# KiCad board rioctrl-controller.kicad_pcb (continued)
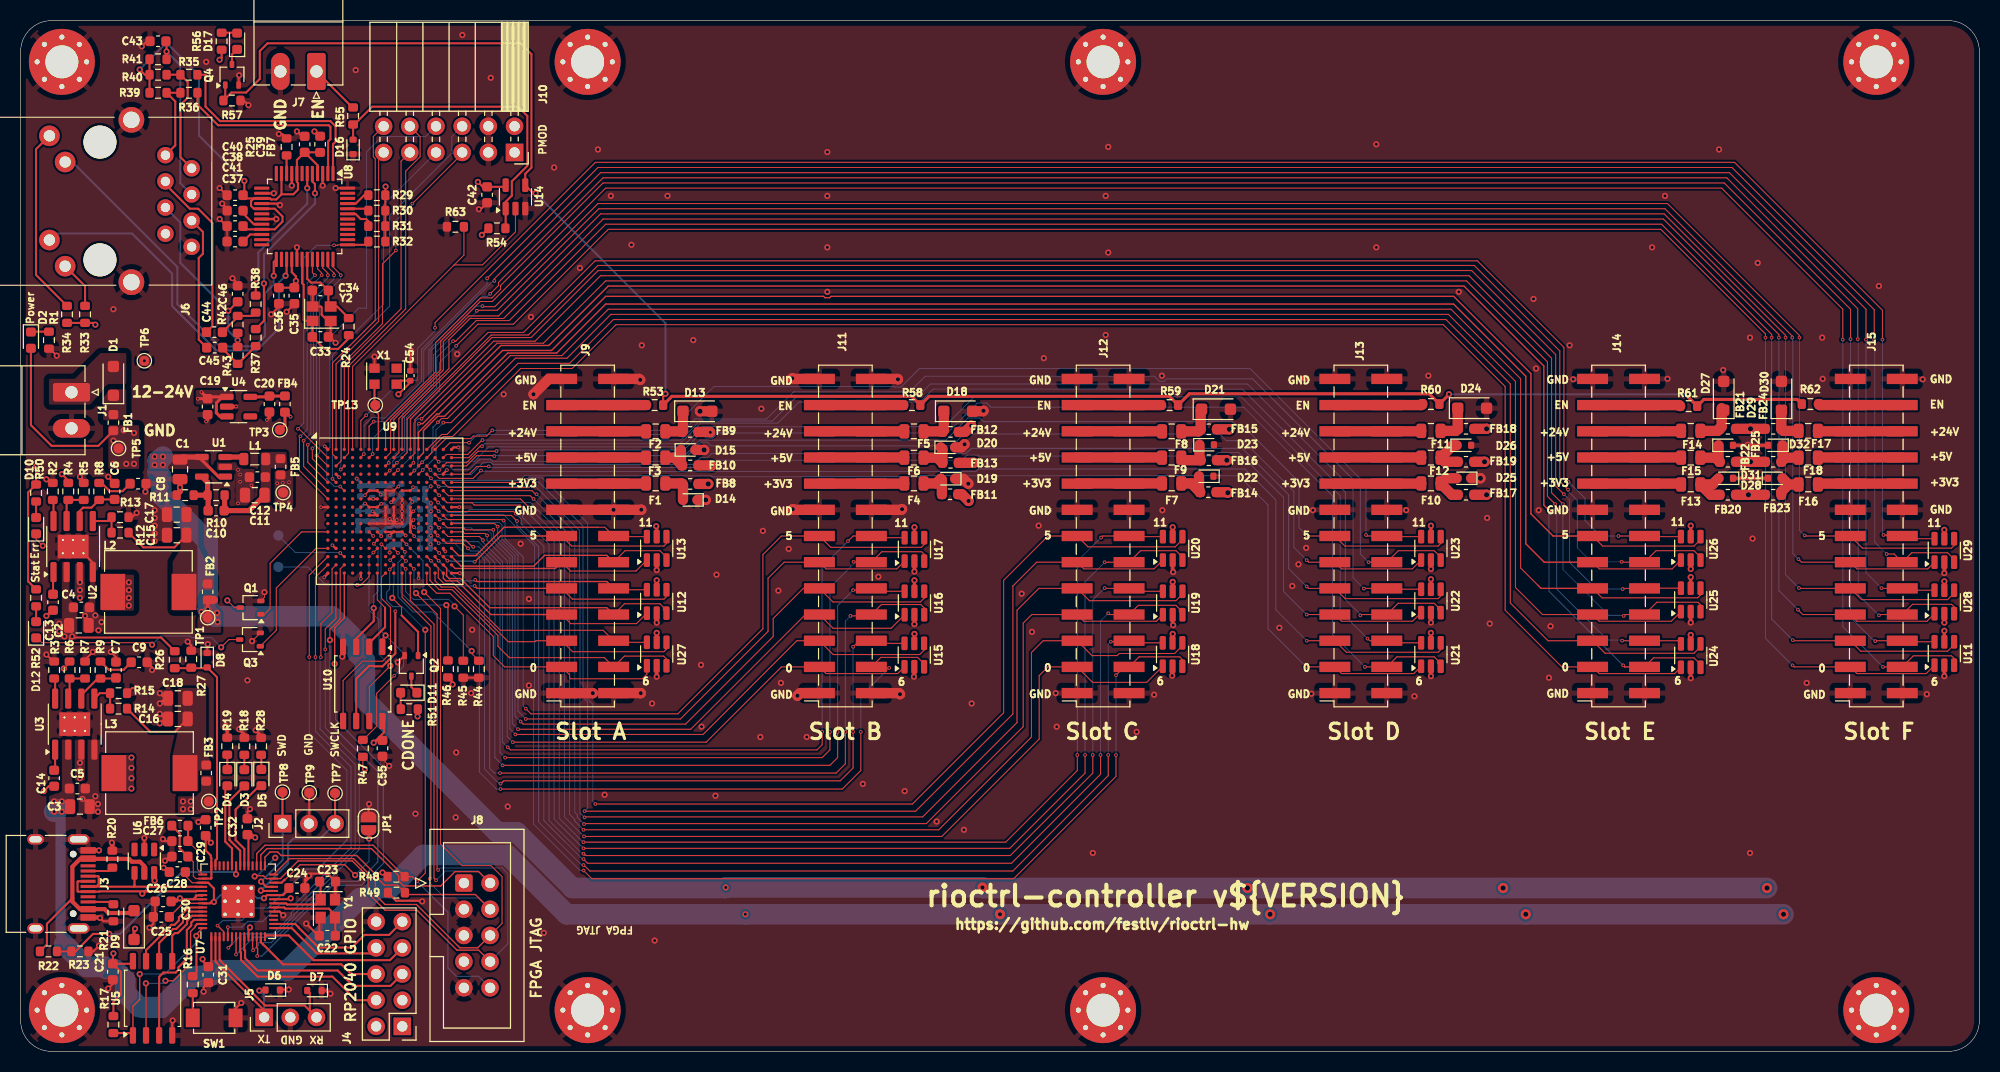
[diagram p0: board, top side]
## Routing (per net, layer and track width the routed paths; a pad name or vN(x,y) marks a point on that pad's centre or on a via; arc(x,y) is an arc through that point) (continued)
Net-(U1-SW): length 1.9
  Top w0.5: L1.1 21.45,57.66 U1.3
Net-(U2-BOOT): length 2.2
  Top w0.2: U2.1 3.15,46.45 C13.1
Net-(U2-COMP): length 4.8
  Top w0.2: C6.1 7.67,53.55 R8.1 6.87,52.75 6.06,52.75 5.73,52.42 U2.6
Net-(U2-EN): length 3.6
  Top w0.2: U2.7 4.46,53.34 R4.2 R5.1
Net-(U2-PH): length 4.8
  Top w0.2: C13.2 3.05,42.8 v1(2.5,42.25)
  In2.Cu w0.2: v1(2.5,42.25) 4.25,44 v1(5.75,44)
  vias: v1(5.75,45.5) v1(5.75,44.75) v1(10.5,45.5) v1(10.5,44.75) v1(10.5,44) v1(10.5,43.25)
Net-(U2-RT): length 2.1
  Top w0.2: R2.1 3.19,53.43 U2.8
Net-(U2-VSENSE): length 3.5
  Top w0.2: U2.5 8.44,51.45 R13.1 R12.2
Net-(U3-BOOT): length 2
  Top w0.2: C14.1 3.34,27.37 U3.1
Net-(U3-COMP): length 4.4
  Top w0.2: U3.6 5.88,34.57 7.49,36.17 R9.1 9.2,36.17 C7.1
Net-(U3-EN): length 3.5
  Top w0.2: R7.1 R6.2 4.75,34.36 U3.7
Net-(U3-PH): length 5.2
  Top w0.2: C14.2 2.73,25.72 v1(2.25,25.25)
  In2.Cu w0.2: v1(5.75,26.5) 3.5,26.5 v1(2.25,25.25)
  vias: v1(5.75,28) v1(5.75,27.25) v1(10.75,28.5) v1(10.75,27.5) v1(10.75,26.5) v1(10.75,25.5)
Net-(U3-RT): length 2
  Top w0.2: R3.1 3.34,36.08 U3.8
Net-(U3-VSENSE): length 3.2
  Top w0.2: R14.2 R15.1 7.68,34.75 U3.5
Net-(U4-OUT): length 3.4
  Top w0.3: FB4.1 25.62,63.58 C20.2 24.06,63.5 U4.5
Net-(U5-DI(IO0)): length 6.4
  Top w0.2: U7.53 16.64,13.16 16.15,12.67 16.15,12.37 15.26,11.47 14.96,11.47 14.7,11.22 U5.5
Net-(U5-DO(IO1)): length 14.8
  Top w0.127: 16.95,12.18 16.95,12.09 16.48,11.62 16.48,8.53 14.8,6.85 v1(14.05,6.85) ; U5.2 12.17,6.59 v1(12.15,6.6)
  Top w0.2: U7.55 17.13,12.36 16.95,12.18
  Bottom w0.127: v1(14.05,6.85) 13.8,6.6 v1(12.15,6.6)
Net-(U5-IO2): length 14.2
  Top w0.2: U7.54 16.81,12.76 16.55,12.5 16.55,12.2 16.12,11.78 16.12,8.97 15.31,8.16 15.31,7.91 15.05,7.65 13.85,7.65 13.44,7.24 U5.3
Net-(U5-IO3): length 8.5
  Top w0.2: U5.7 12.17,9.81 14.62,12.28 14.92,12.28 15.35,12.7 15.35,13 16.31,13.96 U7.51
Net-(U7-ADC_AVDD): length 5.3
  Top w0.1: 16.22,20.4 17.15,19.47 17.15,17.67 U7.43
  Top w0.2: FB6.2 16.24,20.41 16.22,20.4
Net-(U7-XIN): length 8.3
  Top w0.2: U7.20 25.57,13.96 25.68,13.85 29.9,13.85 30.5,13.25 Y1.3 30.53,12.95 C22.2 30.5,11.25
Net-(U7-XOUT): length 6.6
  Top w0.2: U7.21 25.74,14.36 25.85,14.25 28.62,14.25 Y1.1 29.1,16.38 C23.2
Net-(U8-1V2O): length 2.1
  Top w0.2: U8.22 22.26,79.25 C37.1
Net-(U8-EXRES1): length 1.8
  Top w0.2: U8.10 R25.1
Net-(U8-PMODE0): length 2.4
  Top w0.2: R29.2 33.33,83.06 32.51,82.25 U8.45
Net-(U8-PMODE1): length 2.1
  Top w0.2: U8.44 33.54,81.75 R30.2
Net-(U8-PMODE2): length 2.8
  Top w0.2: R31.2 33.73,80.54 33.52,80.75 32.98,80.75 32.48,81.25 U8.43
Net-(U8-RXN): length 17.6
  Top w0.2: U8.5 28.3,84.39 28.55,84.14 v1(28.55,83.25) ; v1(23.6,74.5) 23.6,70.88 R37.1
  Bottom w0.2: v1(23.6,74.5) 23.6,77.3 28.55,82.25 v1(28.55,83.25)
Net-(U8-RXP): length 13.9
  Top w0.2: v1(27.8,83.75) U8.6 ; R38.1 v1(22.8,74.5)
  Bottom w0.2: v1(27.8,83.75) 27.8,82.25 23.05,77.5 23.05,74.75 v1(22.8,74.5)
Net-(U8-TOCAP): length 2.5
  Top w0.2: C38.1 21.58,81.29 22.62,80.25 U8.20
Net-(U8-TXN): length 22
  Top w0.2: R35.1 17.93,94.75 17.93,91.67 19.35,90.25 30.05,90.25 30.55,89.75 30.55,88.25 30.3,88 U8.1
Net-(U8-TXP): length 20
  Top w0.2: U8.2 29.83,85.19 29.83,88.28 30.05,88.5 30.05,89.68 29.89,89.85 19.15,89.85 17.15,91.85 R36.1 17.15,93.4
Net-(U8-XI/CLKIN): length 13.2
  Top w0.2: R24.1 31.83,69.18 30.8,68.15 29.47,68.15 C33.2 28.3,70.84 Y2.1 27.55,70.86 27.45,70.97 27.45,74.39 27.3,74.54 U8.30
Net-(U8-XO): length 8.3
  Top w0.2: R24.2 30.7,72.27 Y2.3 29.85,72.49 C34.1 29.08,74.59 28.16,74.59 27.8,74.95 U8.31
Net-(U9H-CFG_0): length 15.7
  Top w0.1: R44.1 43.75,38.6 v1(43.75,38.85) ; U9.N10 37,48.74 v4(37.28,48.46)
  Bottom w0.1: v4(37.28,48.46) 37.28,48.08 36.6,47.4 36.6,44.1 38.07,42.63 39.97,42.63 v1(43.75,38.85)

## Copper pours and planes (outline as drawn; the poured copper is in the pictures)
+1V1 on Top, In2.Cu: 24.64,56.46 24.64,52.86 26.44,52.86 26.44,56.51
+3V3 on Top: 18.75,26.75 17.5,26.75 17.5,25.25 17,24.75 15.25,24.75 15.25,23 18.75,23
+3V3 on Top: 20.59,63.16 18.99,63.16 18.59,62.76 16.99,62.76 16.99,64.16 20.59,64.16
+3V3 on In2.Cu: 0,0 0,100 190,100 190,0
+5V on Top: 18.25,58 12.5,58 12.5,56.5 18.25,56.5
+5V on Top, In2.Cu: 17.75,44.25 17.75,43.05 17.15,41.95 17.15,40.6 19.45,40.6 19.45,42.55 18.9,43.2 18.9,44.25
+24V on Top: 11.5,60.75 11.5,56.5 8.5,56.5 8.5,60.75
+24V on Top: 5,30.25 5,26.25 5.25,25.75 5.25,23 2.75,23 2.75,24.75 4,25.25 4,30.25
+24V on Top: 4,47.5 5,47.5 5,43.75 5.25,43.5 5.5,43.5 5.5,39.75 3.25,39.75 3.25,42 4,42
+24V on Bottom: 11.5,60.75 9,60.75 7.25,59 3.75,59 1.25,56.5 1.25,22.25 7.75,22.25 7.75,54.5 9.75,56.5 11.5,56.5
GND on Top: 19.04,56.36 20.84,56.36 20.84,52.91 22.69,52.91 22.69,56.51 21.49,56.51 20.89,57.16 19.04,57.16
GND on Top: 14.75,49 14.75,53 12.25,53 12.25,49
GND on Top: 6.55,50.1 6.5,43.75 6,43.25 6,40.5 8,40.5 8,42.5 7.5,43 7.55,50.1
GND on Top: 14.9,31.45 14.9,35.1 12.4,35.1 12.4,31.45
GND on Top: 7.75,23 7.75,30.25 6.5,30.25 6.5,26.25 6.25,26 5.6,26.05 5.6,23.05
GND on Top, Bottom: 0,0 0,100 190,100 190,0
GND on In1.Cu: 0,0 0,100 190,100 190,0
Net-(C10-Pad1) on Top: 25.79,58.16 23.29,58.16 23.29,53.21 24.29,53.21 24.29,56.56 25.89,56.56
Net-(C15-Pad1) on Top: 14.75,42.75 14.75,47.5 15.5,48.75 15.5,53 17.25,53 17.25,49 18.75,46 18.75,44.75 17.75,44.75 17.25,44.25 17.25,42.75
Net-(C16-Pad1) on Top: 14.75,25.25 14.75,28.75 15.25,31 15.25,35.25 18,35.25 18,29 18.5,28 18.5,27.25 17.25,27.25 17.25,25.25
Net-(D1-A) on Top: 2.75,62.75 6.75,62.75 8.5,64.75 10.25,64.75 10.25,67.75 7.75,67.75 5.25,65.25 2.75,65.25
Net-(D1-K) on Top: 10.25,64.25 10.25,61.25 8,61.25 8,63.5 8.5,64.25
Net-(U2-PH) on Top: 7.75,42.75 11,42.75 11,46.25 7.75,46.25
Net-(U2-PH) on Top: 6.25,47.5 6.25,43.75 5.25,43.75 5.25,47.5
Net-(U2-PH) on In2.Cu: 5.25,43.75 6.25,43.75 8.25,42.75 11,42.75 11,46.25 5.25,46.25
Net-(U3-PH) on Top: 6.25,30.25 6.25,26.25 5.25,26.25 5.25,30.25
Net-(U3-PH) on Top: 10,25.25 10,28.75 11,28.75 11,25.25
Net-(U3-PH) on Top: 7.85,25.25 11,25.25 11,28.75 7.85,28.75
Net-(U3-PH) on In2.Cu: 5.25,26.25 6.25,26.25 7.75,25.25 11,25.25 11,28.75 7.75,28.75 6.75,28.25 5.25,28.25

## Text on the board
F.Mask: RV2024
F.Silkscreen: Power | Err | Stat | SWD | GND | SWCLK | PMOD | TX | RX | FPGA JTAG | +24V | +3V3 | +5V | EN | 5 | 0 | 11 | 6 | RP2040 GPIO | CDONE | 12-24V | https://github.com/festlv/rioctrl-hw | Slot A | Slot B | Slot C | Slot D | Slot E | Slot F | rioctrl-controller v${VERSION}
